# Altium PCB PIXHACK_V3D.PcbDoc (part 1 of 3)
Units mm, origin at the board's own origin, x right, y up, seen from the top; angles counter-clockwise.
Board outline 51.45 x 41 mm, 6 copper layers (Top Layer, GND, POWER1, Signal1, POWER, Bottom Layer), stack 1.296 mm thick; 165 components, 213 nets, 875 pads, 250 vias.
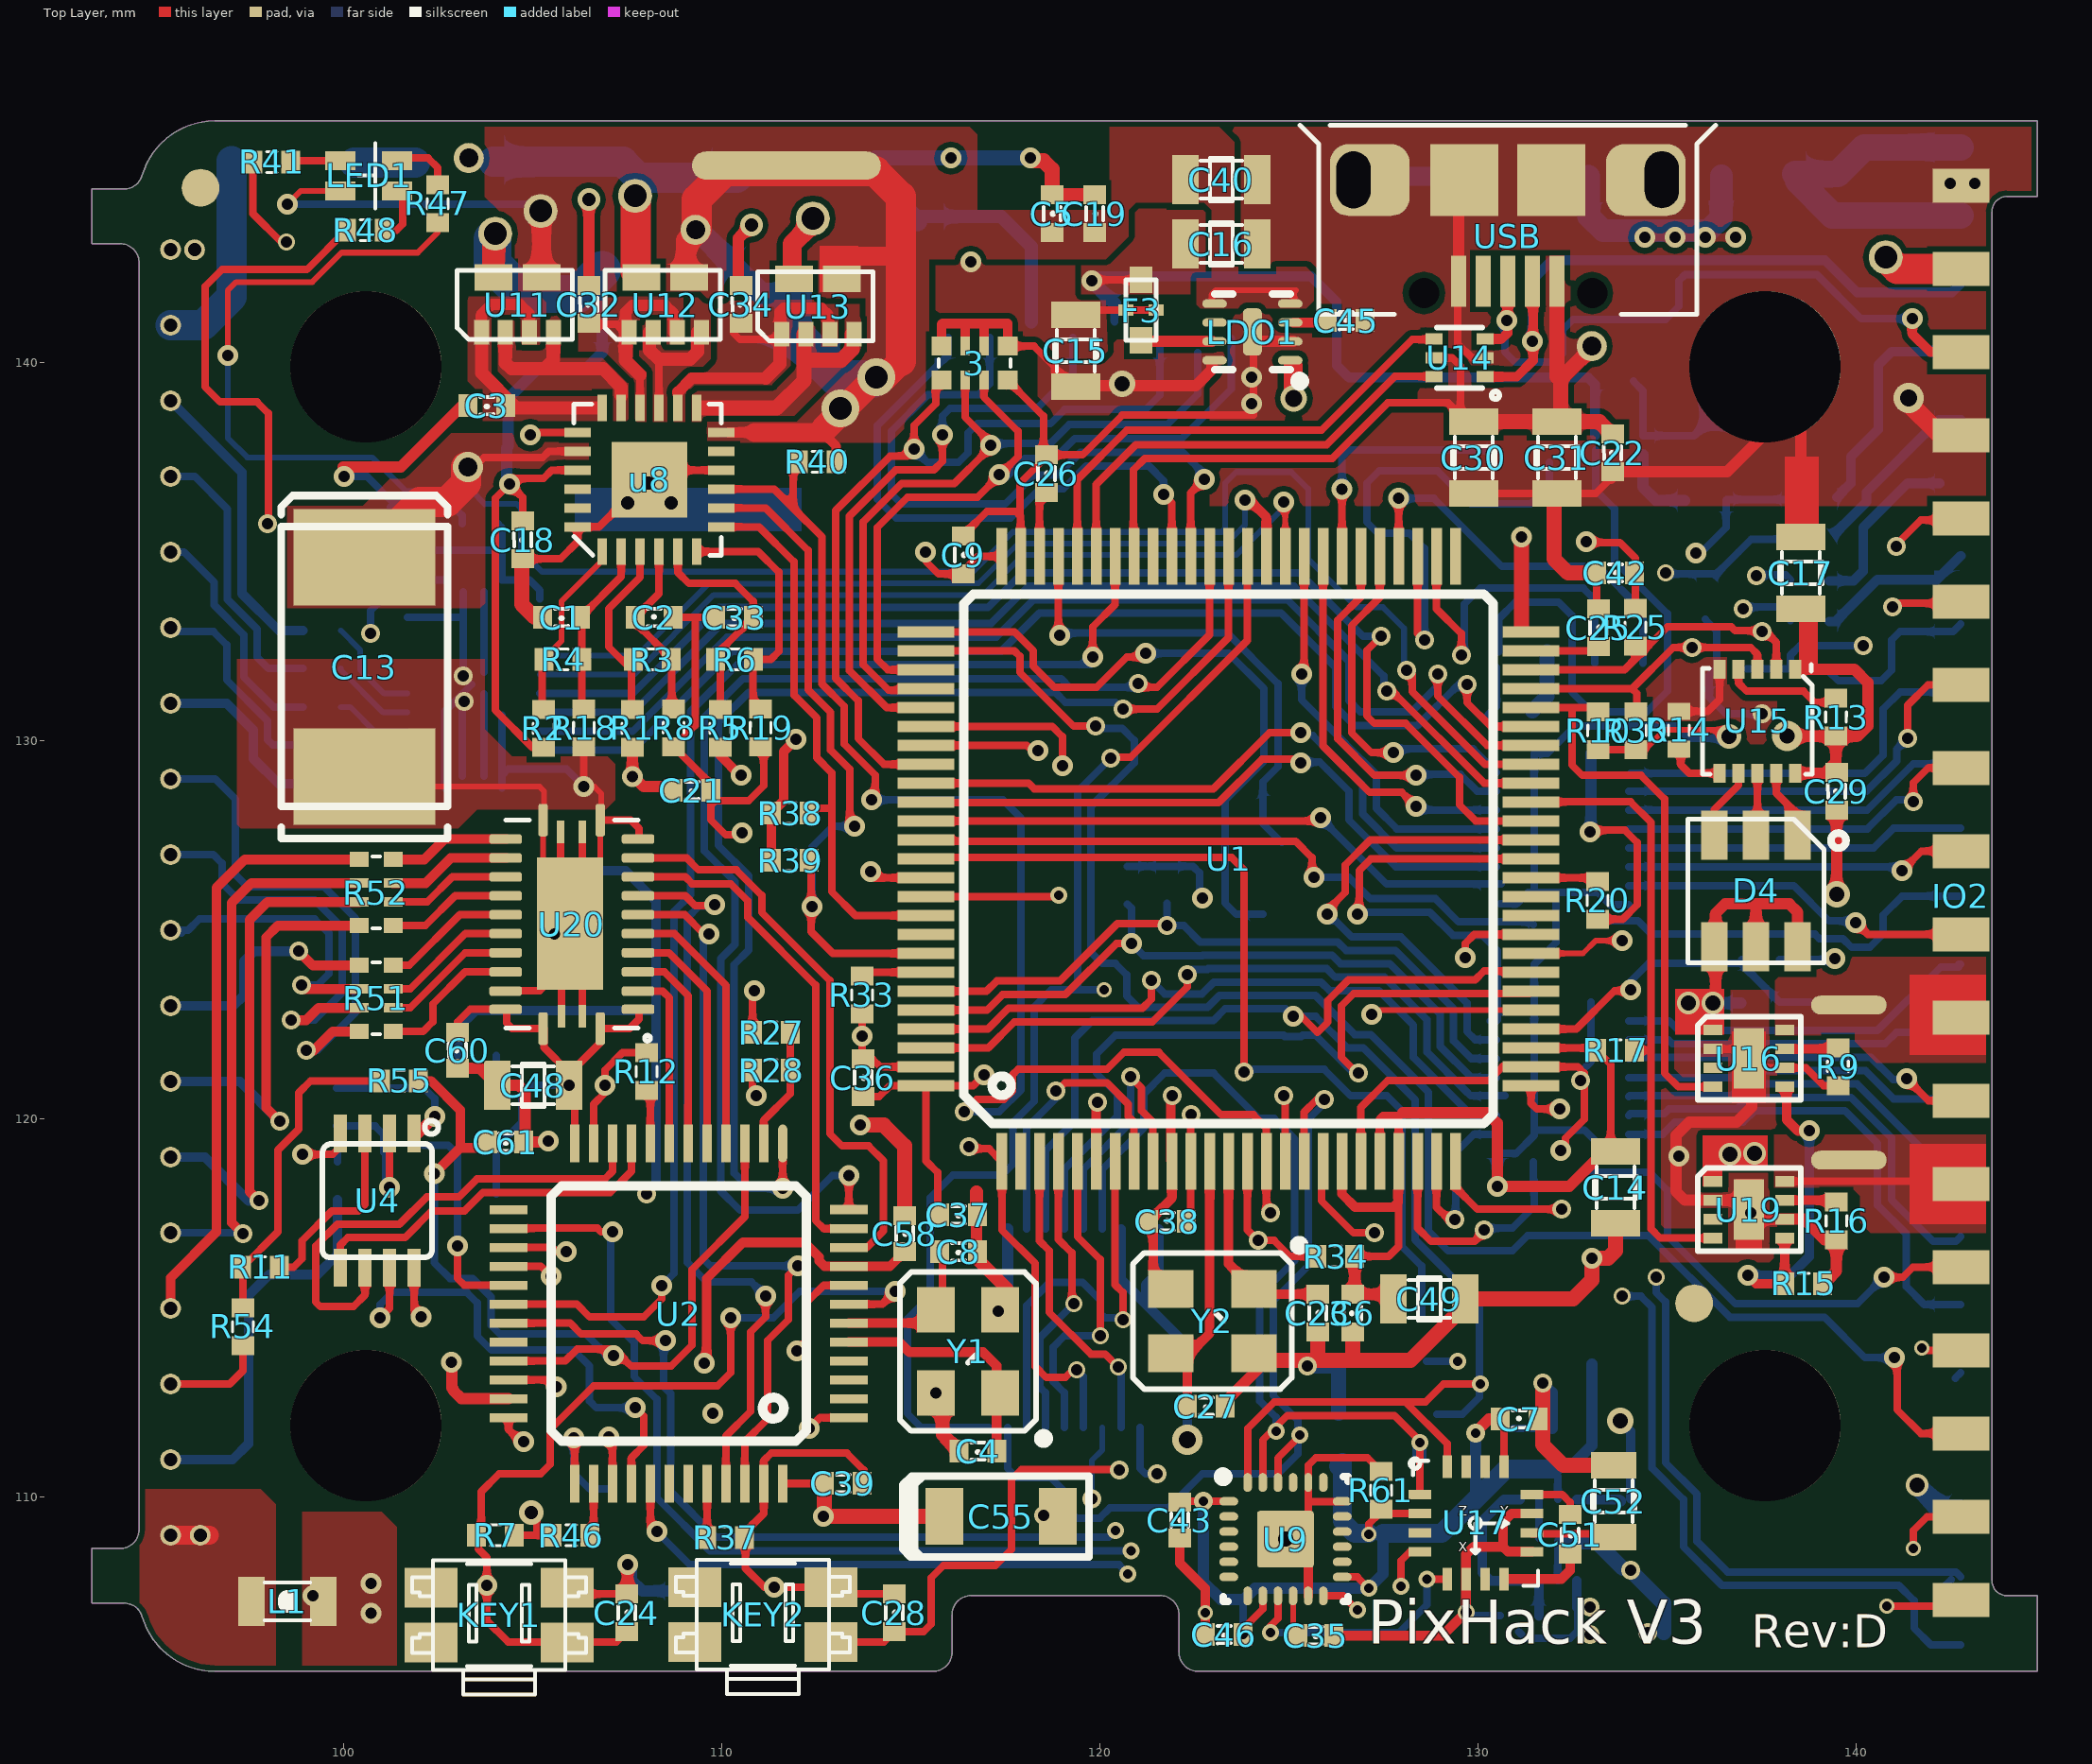
[diagram p0: Top Layer view]
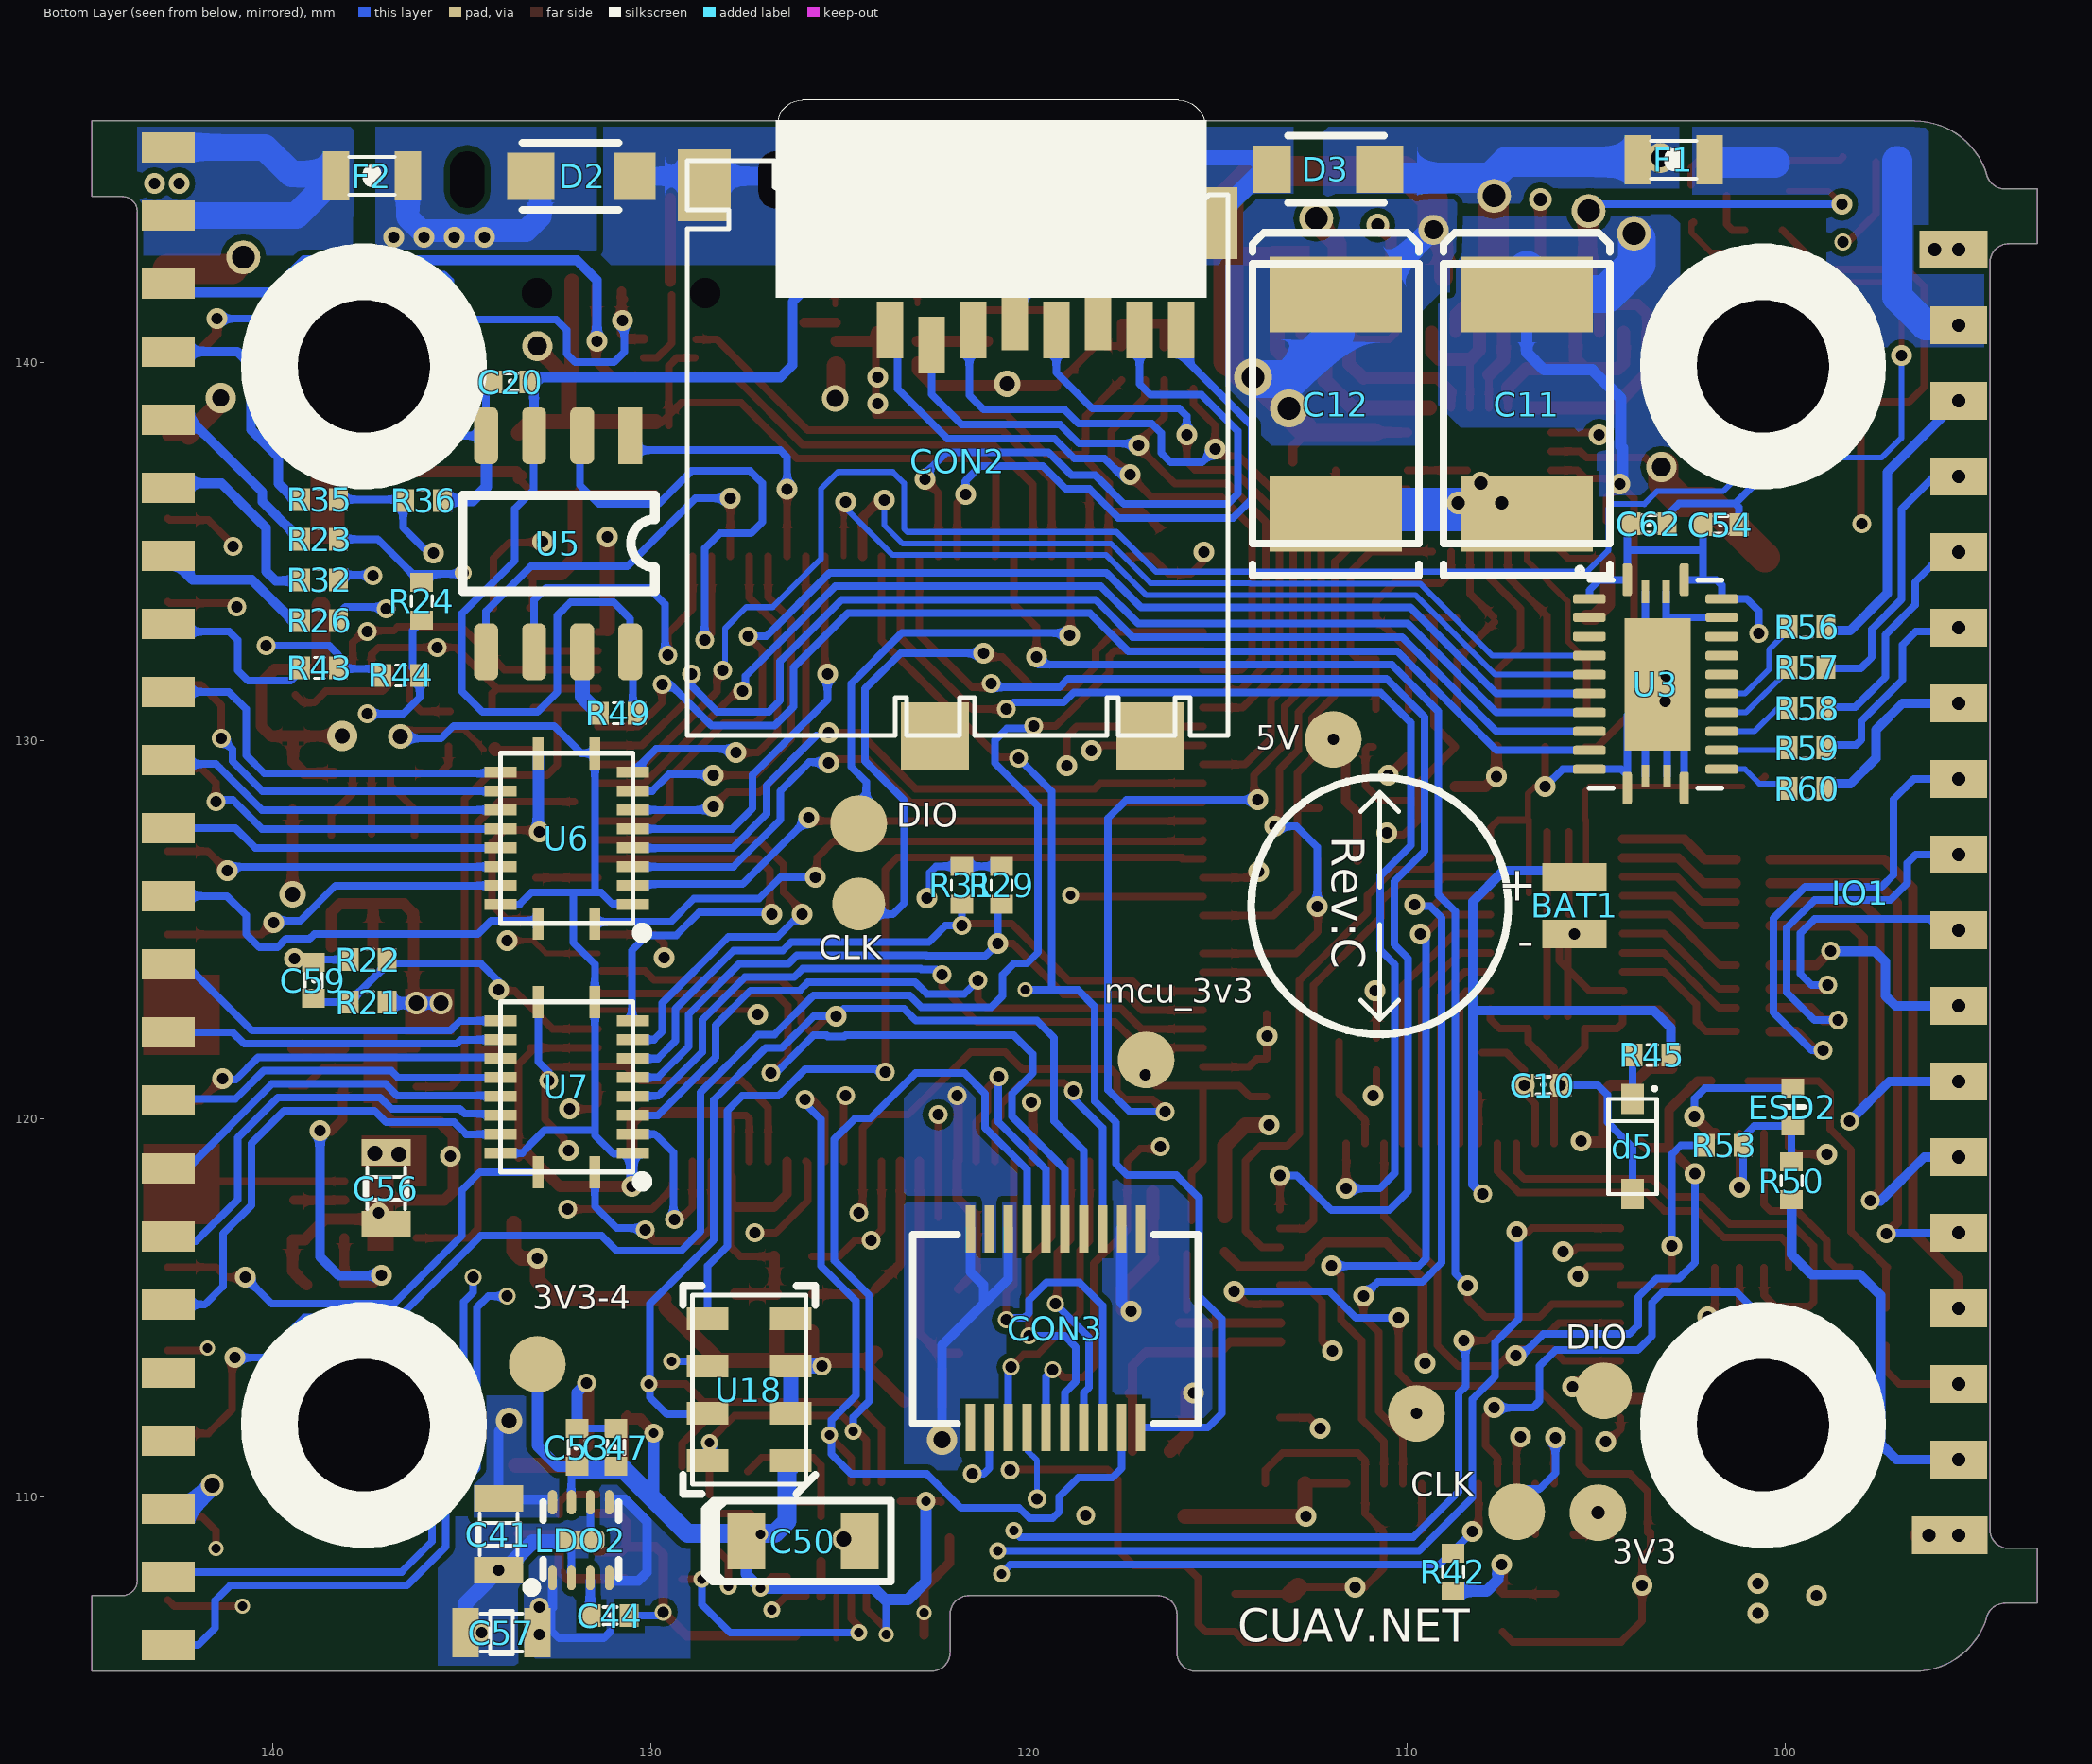
[diagram p1: Bottom Layer view, seen from below]
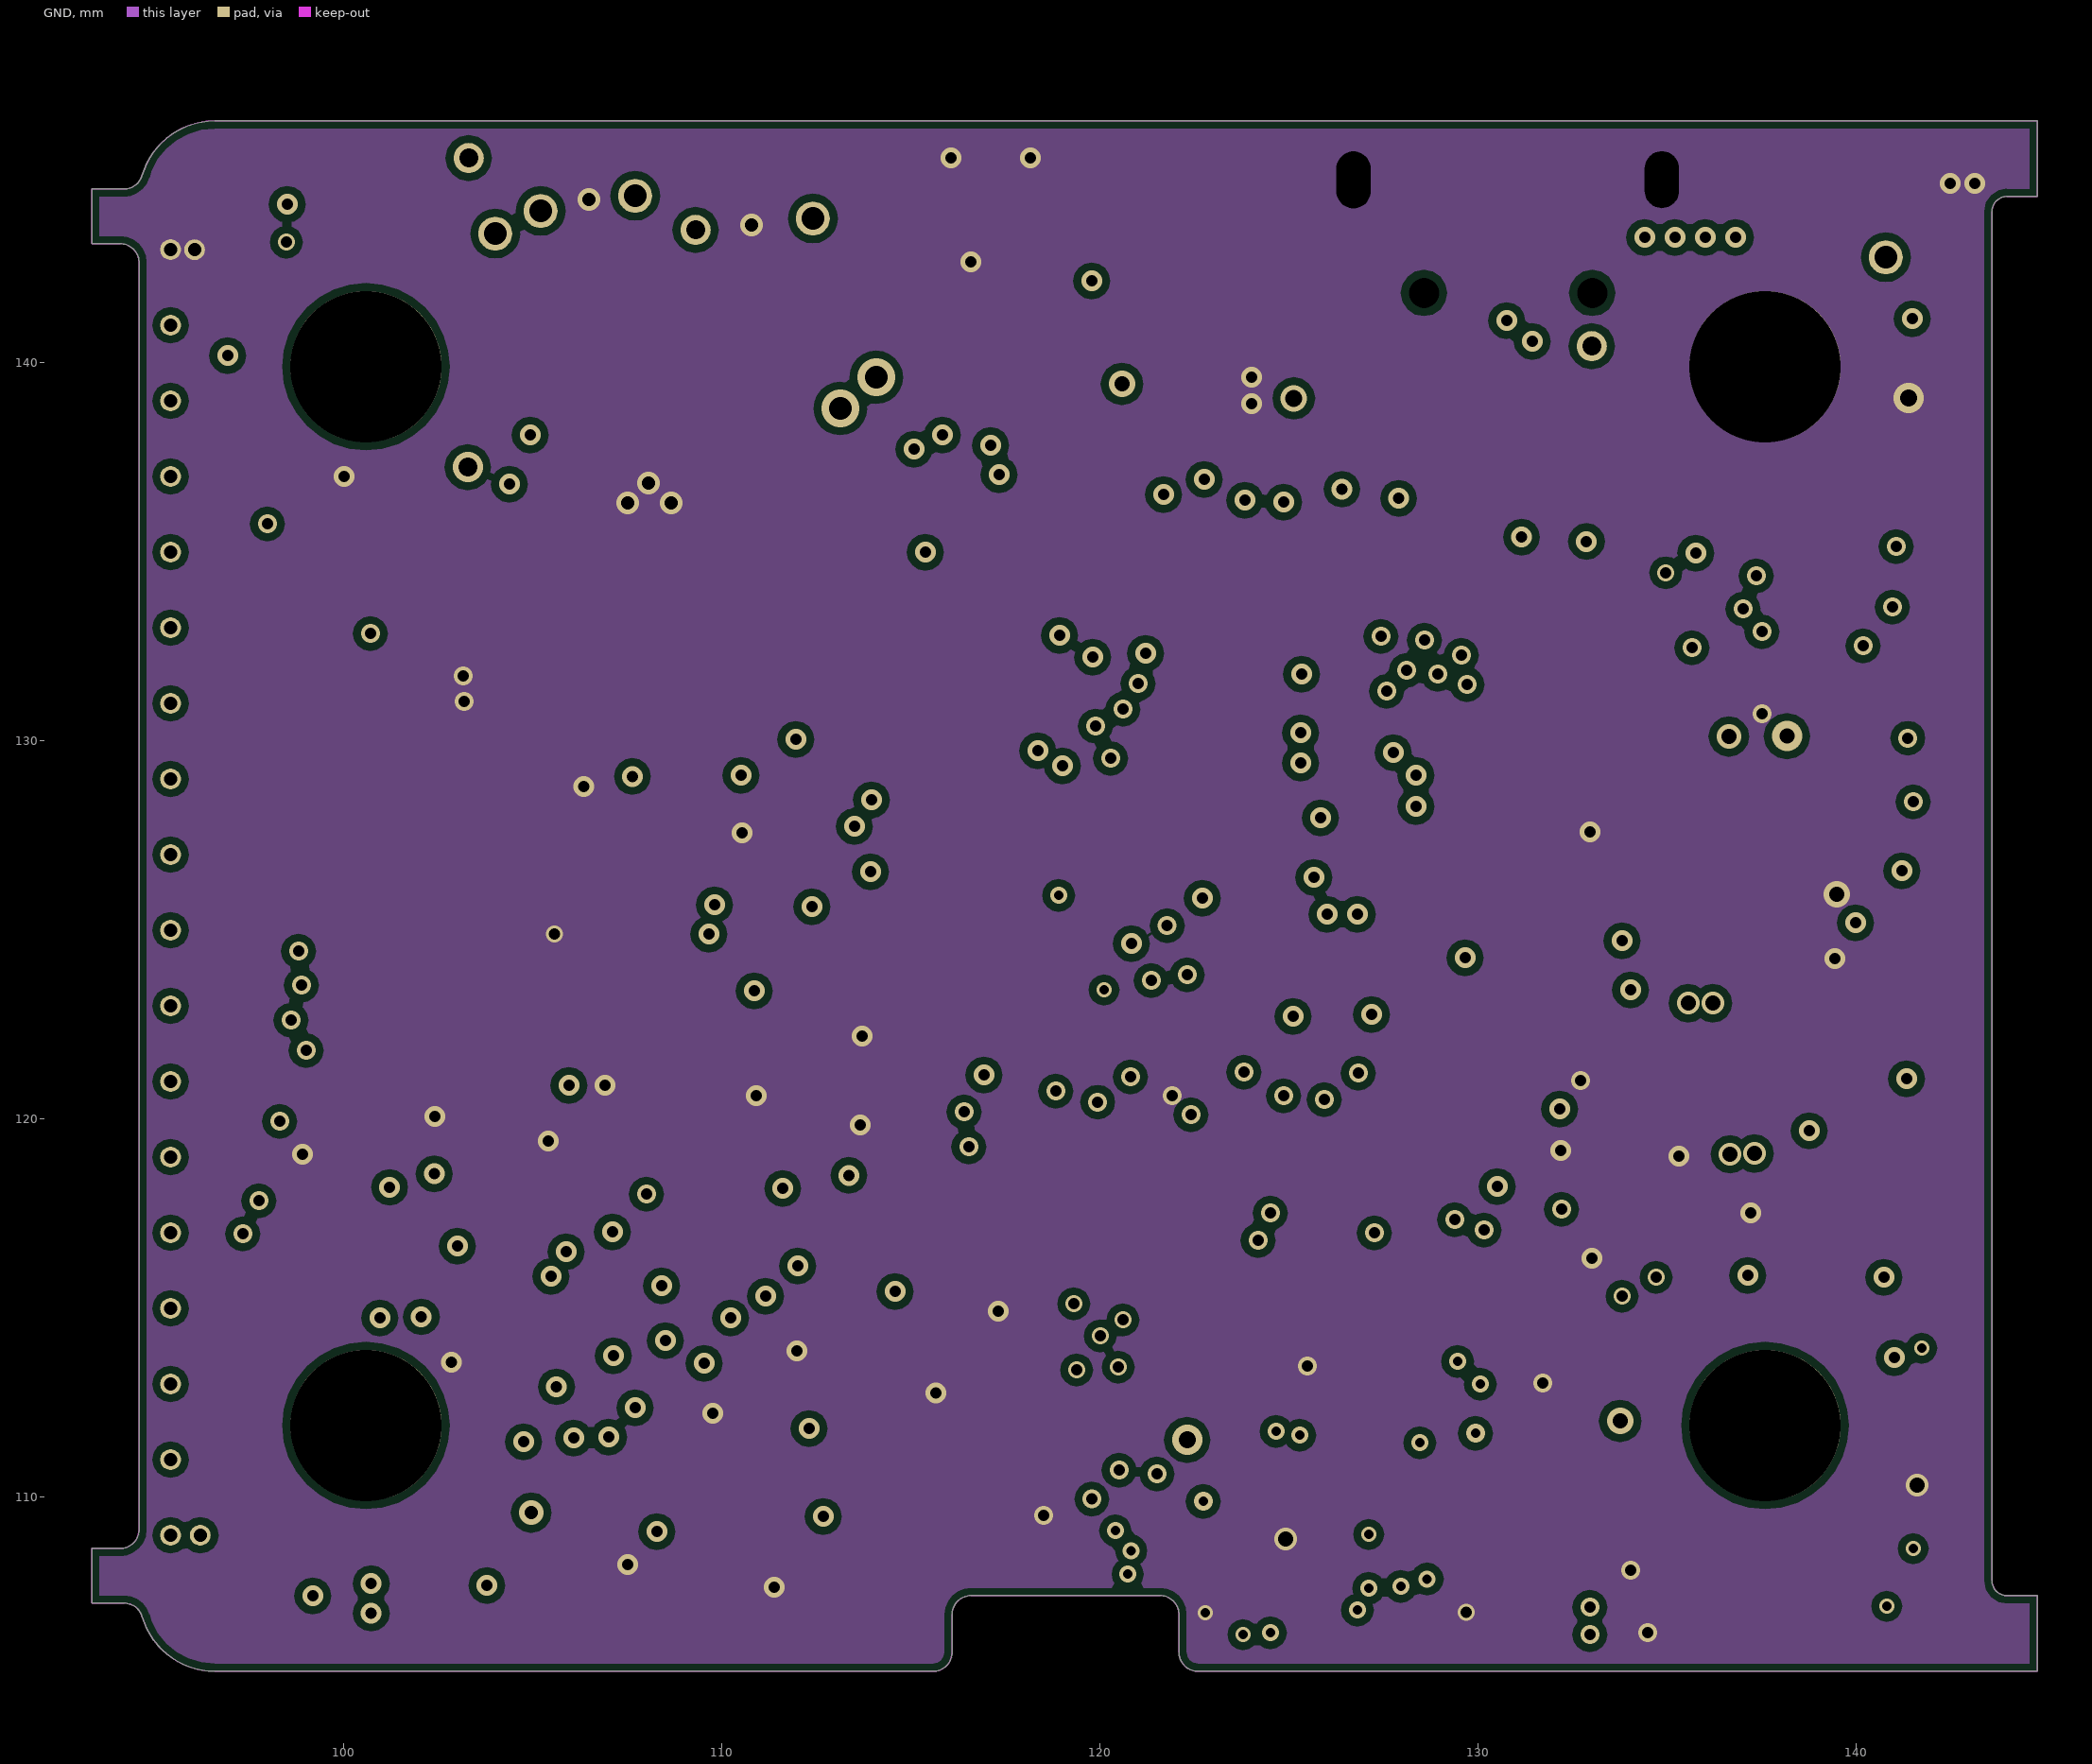
[diagram p2: GND]
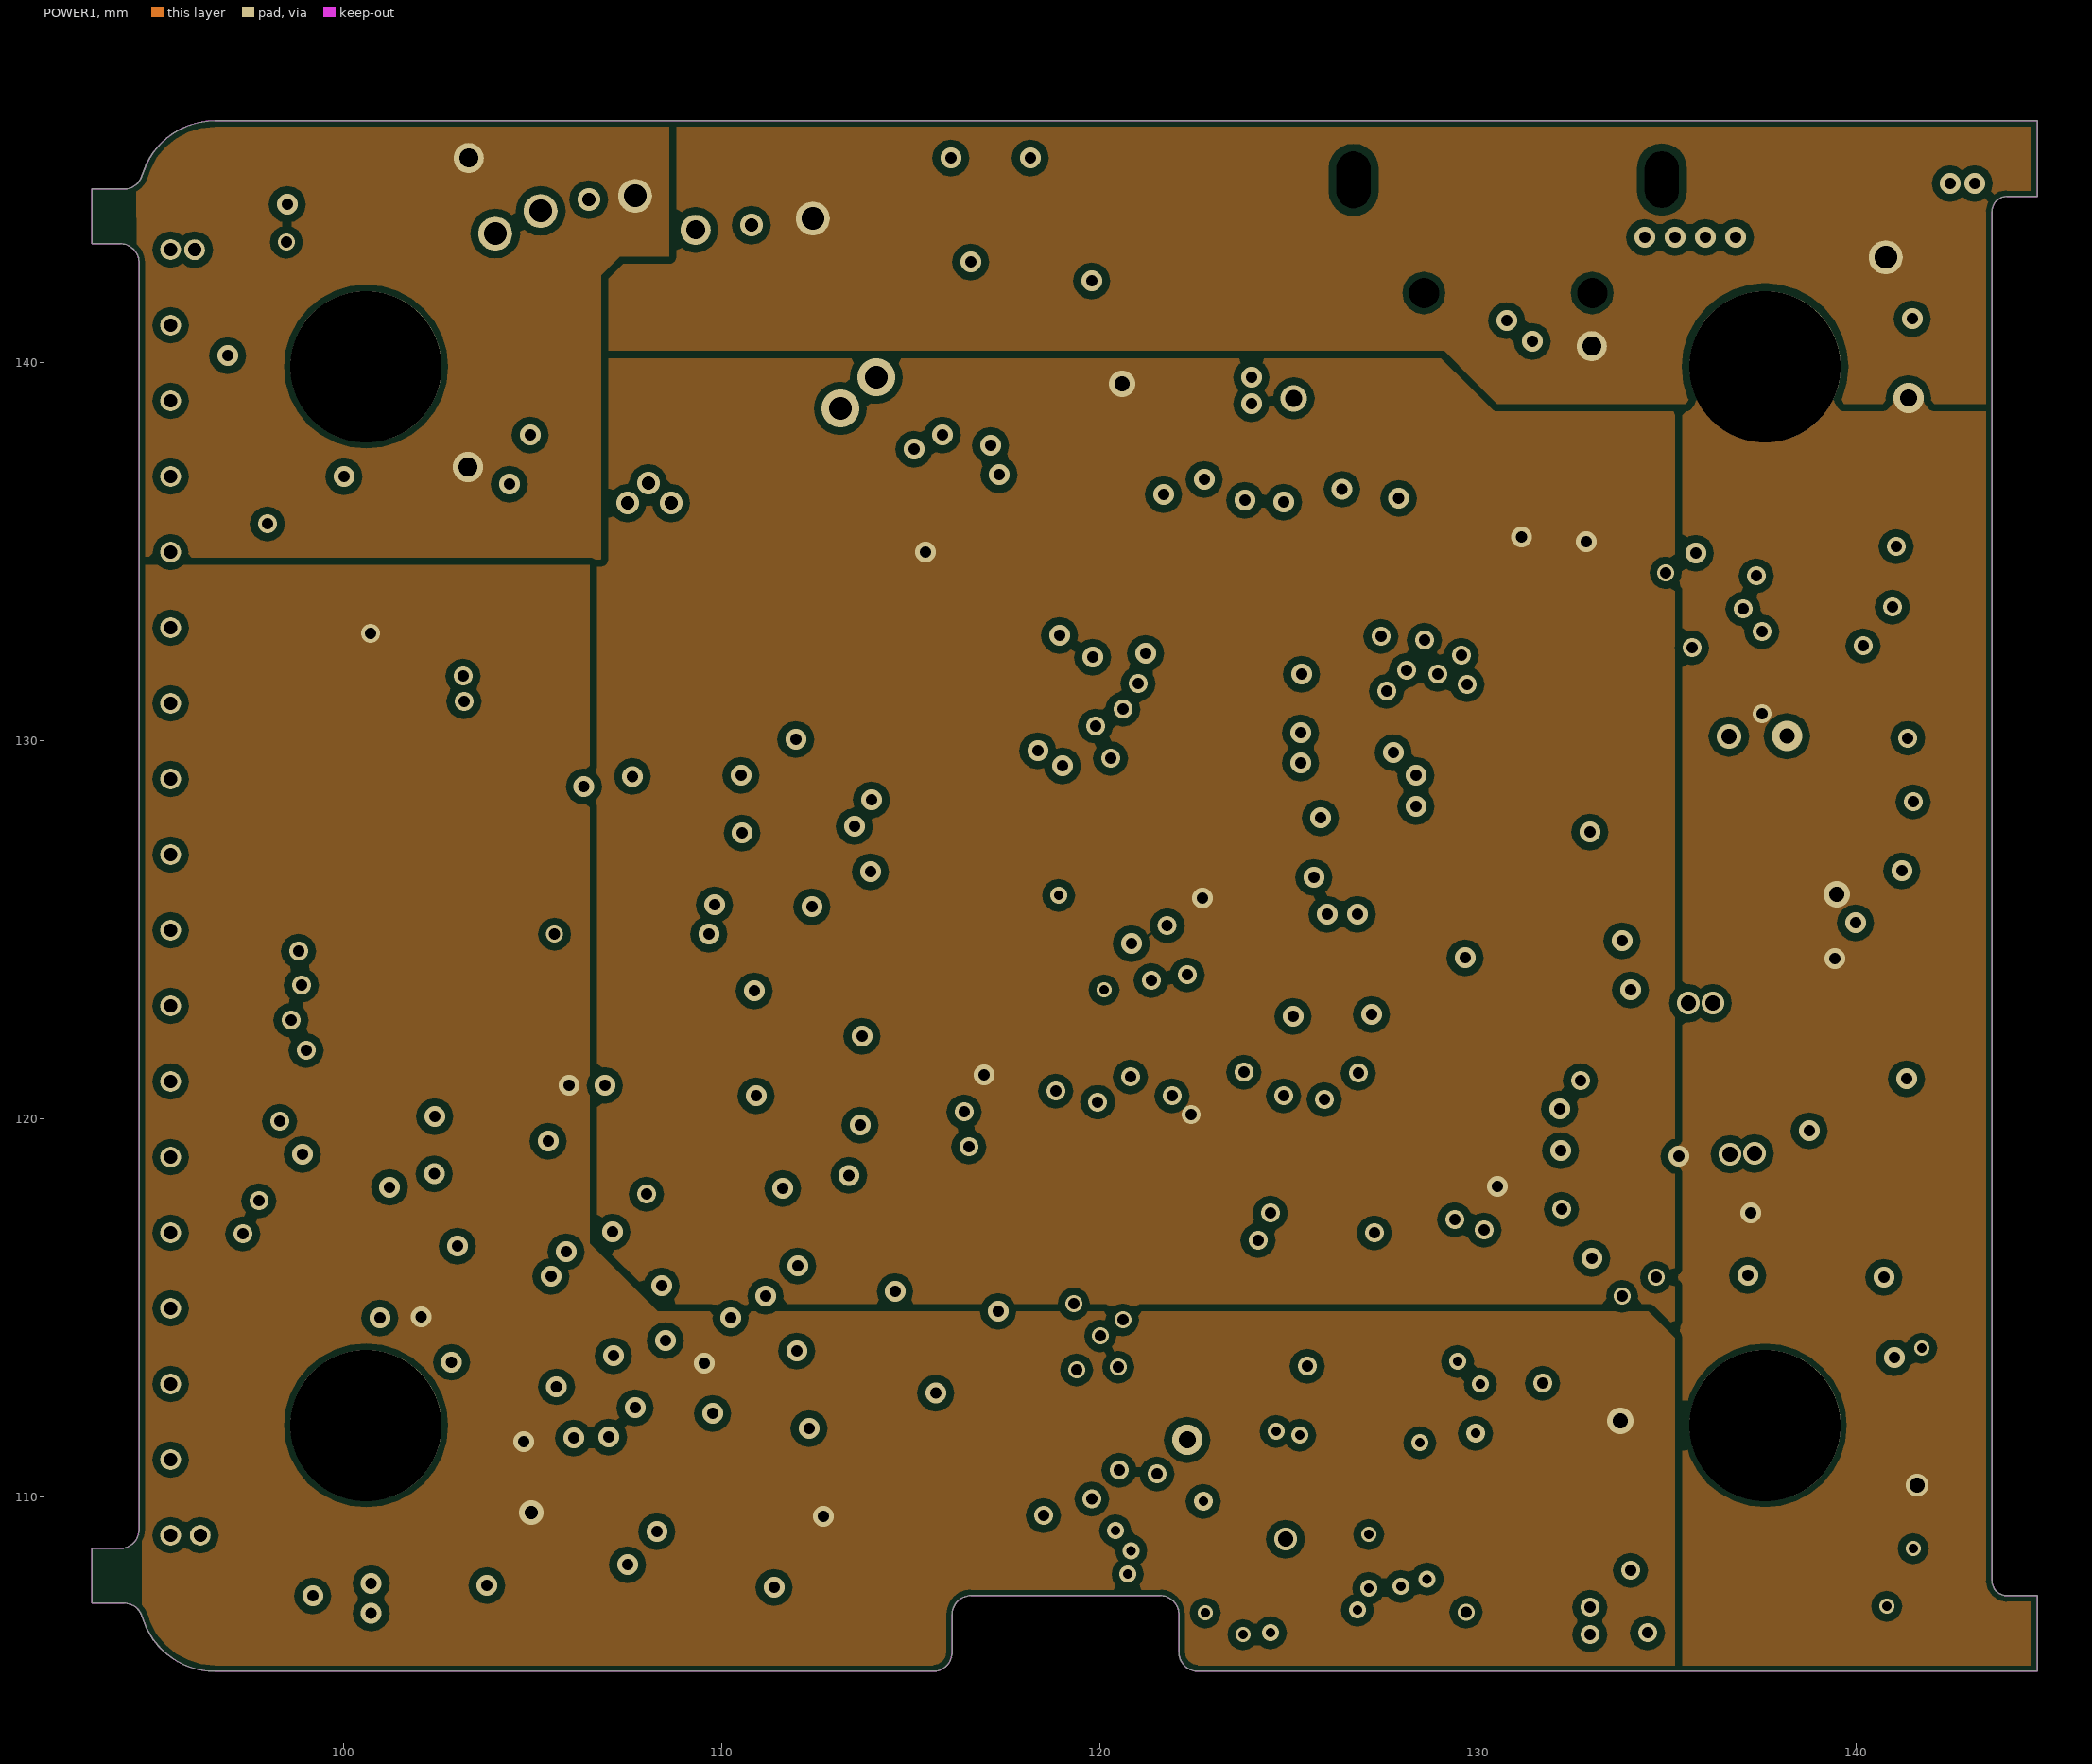
[diagram p3: POWER1]